# Altium PCB H-Watch.PcbDoc (part 1 of 2) (continued)
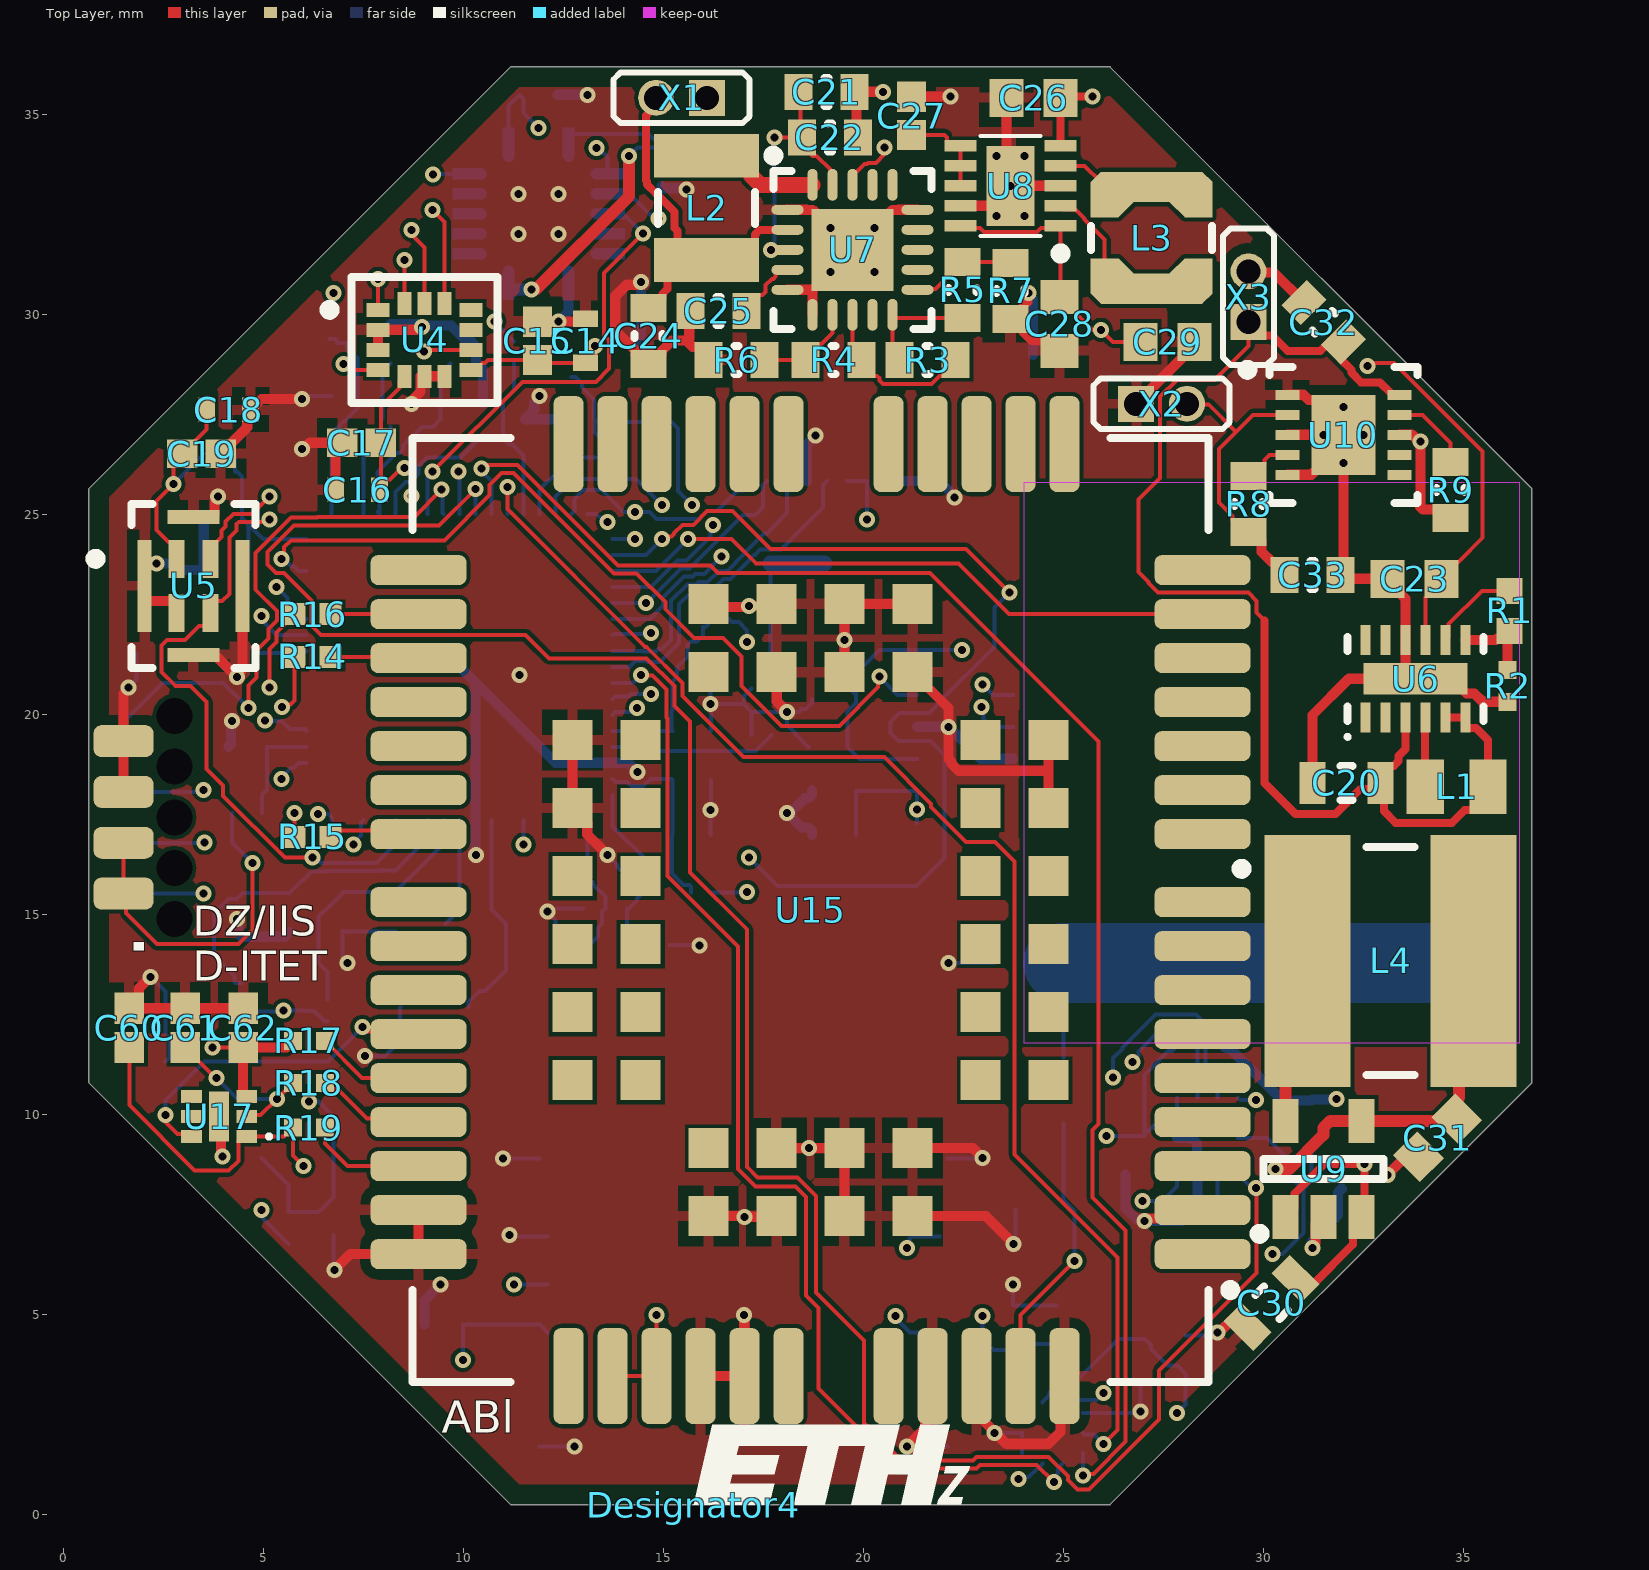
[diagram p0: Top Layer view]
## Footprints (in the part's own frame and the unit in brackets; to place one, negate y for a bottom-side part, rotate by r counter-clockwise, add the part's x,y. Pads: shape width x height; smd on the part's side, far side on the other; paste and mask are expansions set on the pad) (continued)
ONSC-UDFN-6-517AP-01_V [mm] "SON, 6-Leads, Body 1.6x1.6mm, Pitch 0.5mm, Thermal Pad 1.26x0.61mm"
  rect 0.52x0.32 smd mask+0.035: 1(-0.69,0.5) 2(-0.69,0) 3(-0.69,-0.5) 4(0.69,-0.5) 5(0.69,0) 6(0.69,0.5)
  rect 0.5x1.26 smd mask+0.035: 7(0,0)
  silkscreen extent -1.3,0.45 -1.2,0.55, body extent -0.8,-0.8 0.8,0.8, height 0.55
"Pin Header, 1x2, TH" [mm] "Terminal Assembly, 1x2 Pins, Vertical, 1.27mm Pitch, Male, TH"
  rect 0.9x0.9 hole 0.6: 1(-0.635,0)
  round 0.9 hole 0.6: 2(0.635,0)
  silkscreen extent -1.7,-0.63 1.7,0.64, body extent -1.7,-0.63 1.7,0.64, height 6.3
Programmer [mm]
  rrect50% 0.8x1.5 smd: 1(-1.27,0) 2(0,0) 3(1.27,0) 4(2.54,0)
  rrect50% 0.8x1.5 smd far side: 5(-1.27,0) 6(0,0) 7(1.27,0) 8(2.54,0)
  round 0 hole 0.9: ""(-1.905,1.27) ""(-0.635,1.27) ""(0.635,1.27) ""(1.905,1.27) ""(3.175,1.27)
QFN50P350X350X100_HS-21L [mm] "QFN, 20-Leads, Body 3.50x3.50mm, Pitch 0.50mm, Thermal Pad 2.05x2.05mm, IPC High Density"
  oval 0.8x0.25 smd: 1(-1.625,1) 2(-1.625,0.5) 3(-1.625,0) 4(-1.625,-0.5) 5(-1.625,-1) 11(1.625,-1) 12(1.625,-0.5) 13(1.625,0) 14(1.625,0.5) 15(1.625,1)
  oval 0.25x0.8 smd: 6(-1,-1.625) 7(-0.5,-1.625) 8(0,-1.625) 9(0.5,-1.625) 10(1,-1.625) 16(1,1.625) 17(0.5,1.625) 18(0,1.625) 19(-0.5,1.625) 20(-1,1.625)
  rect 2.05x2.05 smd: 21(0,0)
  silkscreen extent -2.11,-1.97 1.97,2.48, body extent -1.83,-1.83 1.83,1.83, height 1
RESC0603(1608)_L [mm] "Chip Resistor, Body 1.6x0.8mm, IPC High Density"
  rect 0.7x0.9 smd: 1(-0.7,0) 2(0.7,0)
  silkscreen extent -0.05,-0.35 0.05,0.35, body extent -0.85,-0.47 0.85,0.47, height 0.6
RESC1005X40X25LL05T05 [mm] "Chip Resistor, 2-Leads, Body 1.05x0.55mm, IPC High Density"
  rect 0.45x0.45 smd: 1(-0.4,0) 2(0.4,0)
  body extent -0.53,-0.28 0.53,0.28, height 0.4
RESC1005X40X25ML05T05 [mm] "Chip Resistor, 2-Leads, Body 1.00x0.50mm, IPC Low Density"
  rect 0.65x0.65 smd: 1(-0.5,0) 2(0.5,0)
  body extent -0.53,-0.27 0.53,0.28, height 0.4
RESC1005X40X25ML05T10 [mm] "Chip Resistor, 2-Leads, Body 1.00x0.50mm, IPC Low Density"
  rect 0.7x0.65 smd: 1(-0.475,0) 2(0.475,0)
  body extent -0.53,-0.27 0.53,0.28, height 0.4
RESC1005X40X25NL05T05 [mm] "Chip Resistor, 2-Leads, Body 1.00x0.50mm, IPC Medium Density"
  rect 0.55x0.55 smd: 1(-0.45,0) 2(0.45,0)
  body extent -0.53,-0.27 0.53,0.28, height 0.4
RESC1609X55X30ML10T20 [mm] "Chip Resistor, 2-Leads, Body 1.60x0.85mm, IPC Low Density"
  rect 1.15x1.05 smd: 1(-0.825,0) 2(0.825,0)
  body extent -0.85,-0.48 0.85,0.48, height 0.55
SDA10A [mm] "SON, 10-Leads, Body 3x3 mm, Pitch 0.5mm, NSC Recommended"
  rect 0.6x0.25 smd paste-0.125 mask+0.051: 1(-1.4,1) 2(-1.4,0.5) 3(-1.4,0) 4(-1.4,-0.5) 5(-1.4,-1) 6(1.4,-1) 7(1.4,-0.5) 8(1.4,0) 9(1.4,0.5) 10(1.4,1)
  rect 1.6x2 smd paste-0.05 mask+0.051: 11(0,0)
  silkscreen extent -2.52,-1.7 1.85,1.75, body extent -1.55,-1.55 1.55,1.55, height 0.8
"Small Solder Jumper" [mm] "Small Solder Jumper (shortcut with a drop of tin if needed)"
  round 0.525 smd paste-5 mask+0: 1(-0.337,0) 2(0.337,0)
  oval 0.52x0.63 smd paste-5 mask+0: 1(-0.335,0) 2(0.335,0)
  oval 0.51x0.71 smd paste-5 mask+0: 1(-0.33,0) 2(0.33,0)
  oval 0.5x0.76 smd paste-5 mask+0: 1(-0.325,0) 2(0.325,0)
  oval 0.49x0.8 smd paste-5 mask+0: 1(-0.32,0) 2(0.32,0)
  oval 0.475x0.84 smd paste-5 mask+0: 1(-0.312,0) 2(0.312,0)
  oval 0.465x0.865 smd paste-5 mask+0: 1(-0.307,0) 2(0.307,0)
  oval 0.45x0.897 smd paste-5 mask+0: 1(-0.3,0) 2(0.3,0)
  oval 0.425x0.943 smd paste-5 mask+0: 1(-0.288,0) 2(0.288,0)
  oval 0.4x0.981 smd paste-5 mask+0: 1(-0.275,0) 2(0.275,0)
  oval 0.375x1.013 smd paste-5 mask+0: 1(-0.262,0) 2(0.262,0)
  oval 0.35x1.04 smd paste-5 mask+0: 1(-0.25,0) 2(0.25,0)
  oval 0.325x1.063 smd paste-5 mask+0: 1(-0.238,0) 2(0.238,0)
  oval 0.3x1.082 smd paste-5 mask+0: 1(-0.225,0) 2(0.225,0)
  oval 0.275x1.098 smd paste-5 mask+0: 1(-0.212,0) 2(0.212,0)
  oval 0.25x1.112 smd paste-5 mask+0: 1(-0.2,0) 2(0.2,0)
  oval 0.225x1.125 smd paste-5 mask+0: 1(-0.188,0) 2(0.188,0)
  oval 0.2x1.137 smd paste-5 mask+0: 1(-0.175,0) 2(0.175,0)
  silkscreen extent -0.82,-0.83 0.83,0.83
SON50P200X80_HS-13N [mm] "SON, 12-Leads, Body 3.00x2.00mm, Pitch 0.50mm, Thermal Pad 2.60x0.79mm, IPC Medium Density"
  rect 0.75x0.25 smd: 1(-0.97,1.25) 2(-0.97,0.75) 3(-0.97,0.25) 4(-0.97,-0.25) 5(-0.97,-0.75) 6(-0.97,-1.25) 7(0.97,-1.25) 8(0.97,-0.75) 9(0.97,-0.25) 10(0.97,0.25) 11(0.97,0.75) 12(0.97,1.25)
  rect 0.79x2.6 smd: 13(0,0)
  silkscreen extent -1.5,-1.7 1.05,1.75, body extent -1.05,-1.55 1.05,1.55, height 0.8
SUMI-CDRH5D28_V [mm] "SMD, 2-Leads, Body 5.7x5.7mm"
  rect 2.15x6.3 smd: 1(-2.075,0) 2(2.075,0)
  silkscreen extent -3.85,-2.85 0.6,2.85, body extent -2.85,-2.85 2.85,2.85, height 3
Z5+1_N [mm] "SOT23, 5-Leads, Body 2.9x1.6mm, Pitch 0.95mm, Lead Span 2.8mm, IPC Medium Density"
  rect 1.1x0.65 smd: 1(-1.2,0.95) 2(-1.2,0) 3(-1.2,-0.95) 4(1.2,-0.95) 5(1.2,0.95)
  silkscreen extent -1.75,-1.5 0.25,1.72, body extent -0.82,-1.5 0.82,1.5, height 1.1

## Part data
C1 C3 C5 C8 C9 C10 C12 C14 C16 C18 C42 C44 C46 C48: library part CMP-2000-05993-1, "Chip Capacitor, 10 uF, +/- 20%, -55 to 85 degC, 0402 (1005 Metric), RoHS, Tape and Reel", Capacitance=10µF, Manufacturer=TDK, Operating Temperature=-55°C~85°C, Package / Case=0402(1005Metric), Package Description="2-Pin Surface Mount Device, Body 1.00 x 0.50 mm", Package Reference=0402, PCN Part Number=MLCCPartNumberChange30/Nov/2012, Ratings=-, Standard Package=1, Temperature Coefficient=X5R, Tolerance=±20%, Voltage - Rated=6.3V, Applications=GeneralPurpose, Category=Capacitors, Datasheet URL=http://download.siliconexpert.com/pdfs/2015/4/21/15/54/45/779/tdk_/manual/37024850441143360mlcc_commercial_general_en.pdf, Datasheet Version=03/2015, Family=CeramicCapacitors, Features=-, Height - Seated (Max)=-, Kits=445-9021-KIT-ND-KITMLCC100PF-10UF04026.3-50V445-9003-KIT-ND-KITCAPCERHICAPMLCCSMD, Lead Spacing=-, Lead Style=-, Manufacturer URL=http://www.tdk.com/, Mounting Technology=SurfaceMount, Mounting Type=SurfaceMount,MLCC, Online Catalog=CSeries,GeneralPurpose, Other Names=445-8920-1, Packaging=CutTape(CT), Product Training Modules=CSeriesGeneralApplicationsSEAT,CCV,andTVCLDesignToolsGuidetoReplacinganElectrolyticCapacitorwithanMLCC, RoHS Information=RoHSCertificate-MLCC, Series=C, Size / Dimension="0.039\"Lx0.020\"W(1.00mmx0.50mm)", Thickness (Max)="0.020\"(0.50mm)"
C2 C4 C6 C11 C13 C15 C17 C19 C27 C34 C35 C36 C43 C45 C47 C49 C50 C52 C53 C55 C56 C59: library part CMP-2008-02046-1, Manufacturer=Kemet, Part Number=C0402C104K8PACTU
C7: library part CMP-2000-05010-1, "Chip Capacitor, 220 nF, +/- 10%, 16 V, -55 to 125 degC, 0402 (1005 Metric), RoHS, Tape and Reel", Capacitance=0.22µF, Case Size/Dimension=0402, Dielectric=C0G, Manufacturer=Murata, Package Description="2-Pin Surface Mount Device, Body 1 x 0.5 mm", Package Reference=402, Rated Voltage=16V, Tolerance (%)=±10%, Datasheet URL=https://datasheet.ciiva.com/132/product-132672.pdf, Datasheet Version=Oct-14, Manufacturer URL=http://www.murata.com/
C20 C30 C39: library part CMP-2000-04981-1, "CAP, Ceramic, 4.7 uF, +/- 10%, 16 V, -55 to 85 degC, 0603 (1608 Metric), RoHS, Tape and Reel", Capacitance=4.7µF, Manufacturer=TDK, Operating Temperature=-55degC~85degC, Package / Case=0603(1608Metric), Package Description="2-Pin Surface Mount Device, Body 1.6 x 0.8 mm", Package Reference=603, PCN Part Number=MLCCPartNumberChange30/Nov/2012, Ratings=-, Standard Package=1, Temperature Coefficient=X5R, Tolerance=±10%, Voltage - Rated=16V, Applications=GeneralPurpose, Category=Capacitors, Datasheet URL=http://download.siliconexpert.com/pdfs/2015/4/21/15/54/45/779/tdk_/manual/37024850441143360mlcc_commercial_general_en.pdf, Datasheet Version=Mar-15, Design Resources=20WNon-IsolatedBuckLEDDriverUsingPLLNK460KG, Family=CeramicCapacitors, Features=-, Height - Seated (Max)=-, Kits=445-9003-KIT-ND-KITCAPCERHICAPMLCCSMD, Lead Spacing=-, Lead Style=-, Manufacturer URL=http://www.tdk.com/, Mounting Type=SurfaceMount,MLCC, Online Catalog=CSeries,GeneralPurpose, Other Names=445-7478-1, Packaging=CutTape(CT), Product Training Modules=CSeriesGeneralApplicationsSEAT,CCV,andTVCLDesignToolsGuidetoReplacinganElectrolyticCapacitorwithanMLCC, RoHS Information=RoHSCertificate-MLCC, Series=C, Size / Dimension="0.063\"Lx0.031\"W(1.60mmx0.80mm)", Thickness (Max)="0.035\"(0.90mm)"
C21 C24: library part CMP-1035-02785-1, "CAP 4.7uF 10V ±10% 0603 (1608 Metric) Thickness 1mm SMD", Case-EIA=0603, Case-Metric=1608, Rated Voltage="10 V", Tolerance=Â±10%, Max Thickness="1 mm", Technology=SMT
C22 C25: library part CMP-1035-02304-1, "CAP 10nF 10V ±2% 0603 (1608 Metric) Thickness 1mm SMD", Case-EIA=0603, Case-Metric=1608, Rated Voltage="10 V", Tolerance=Â±2%, Max Thickness="1 mm", Technology=SMT
C23 C26 C28 C29 C31: library part CMP-2006-02792-1, Manufacturer=Murata, Part Number=GRM188R60J106ME47D
C32 C33: library part CMP-1035-02733-1, "CAP 1uF 10V ±10% 0603 (1608 Metric) Thickness 1mm SMD", Case-EIA=0603, Case-Metric=1608, Rated Voltage="10 V", Tolerance=Â±10%, Max Thickness="1 mm", Technology=SMT
C37 C38: library part CMP-2008-03855-1, Manufacturer=Murata, Part Number=GJM1555C1H4R0CB01D
C40 C41: library part CMP-2008-03759-1, Manufacturer=Murata, Part Number=GJM1555C1H8R0CB01D
C51 C54: library part CMP-2008-02567-1, Manufacturer="AVX Interconnect / Elco", Part Number=04025A101FAT2A.
C57 C58: library part CMP-2100-03643-1, "Chip Capacitor, 0.1 uF, +/- 10%, 50 V, -55 to 125 degC, 0603 (1608 Metric), RoHS, Tape and Reel", Capacitance=100nF, Case Code (Imperial)=0603, Case Code (Metric)=1608, Dielectric=X7R, Dielectric Material=Ceramic, Insulation Resistance=10GR, Manufacturer=Murata, Max Operating Temperature=125degC, Min Operating Temperature=-55degC, Package Description="2-Pin Surface Mount Device, Body 1.6 x 0.8 mm", Package Quantity=1, Tolerance=10%, Voltage=50V, Case/Package=0603, Contact Plating=Tin, Datasheet URL=http://psearch.en.murata.com/capacitor/product/GRM188R71H104KA93%23.pdf, Datasheet Version=42675.0, Depth=0.8mm, Height=0.8mm, Lead Free=LeadFree, Length=1.6mm, Manufacturer URL=http://www.murata.com/, Material=Ceramic, Mount=SurfaceMount, Number of Pins=2, Package Reference=0603, Packaging=TapeandReel, Radiation Hardening=No, REACH SVHC=NoSVHC, RoHSCompliant=true, Termination=SMD/SMT, Thickness=0.035inch, Voltage Rating=50V, Voltage Rating (DC)=50V, Width=0.8mm
C60 C61 C62: library part CMP-2008-02494-1, Manufacturer="AVX Interconnect / Elco", Part Number=04023A330JAT2A
D1: library part CMP-08952-000003-1, "LED RED CLEAR 1006 SMD", Colour=Red, Forward Current=1mA, Forward Voltage=1.8V, Manufacturer=Rohm, Package=SML-P1, Power Dissipation=50mW, Reverse Voltage=5V, Temperature="-40°C to +85°C", Temperature Range High=+85°C, Temperature Range Low=-40°C, Automotive=No, Category=Diode, ComponentLink2Description=Datasheet, ComponentLink2URL=https://www.rohm.com/datasheet/SML-P11VT(R)/sml-p11-e, Device Class L1=Optoelectronics, Device Class L2=LEDs, Device Class L3=unset, Digikey Description="LED RED CLEAR 1006 SMD", Height=0.25mm, Lead Free=Yes, Led Orientation="Top View", Luminous Intensity=4mcd, Manufacturer Part Number=SML-P11VTT86R, Mouser Description="SML-P11 Series Red 0402 Clear 4 mcd 1.8 V Surface Mount PICOLED? LED", Octopart=https://octopart.com/sml-p11vtt86r-rohm-34112314, RoHS=TRUE, Wavelength=626nm
J2: library part CMP-1241-00463-1, "0.5 mm Pitch Easy-On(TM) Type FPC Connector, 2.0 mm Mated Height, Right Angle, ZIF, SMT, Bottom Contact, 10 Circuits, -40 to 85 degC, ELV and RoHS Compliant, Tape and Reel", Current (Max per Contact)=0.5A, Manufacturer=Molex, Voltage (Max)=50V, Circuits (Loaded)=10, ComponentLink1Description="Manufacturer URL", ComponentLink1URL=http://www.molex.com/molex/index.jsp, ComponentLink2Description=Datasheet, ComponentLink2URL=http://www.molex.com/webdocs/datasheets/pdf/en-us/0528921033_FFC_FPC_CONNECTORS.pdf, ComponentLink3Description="Package Specification", ComponentLink3URL=http://www.molex.com/pdm_docs/sd/528921033_sd.pdf, Contact Position=Bottom, Durability (mating cycles max)=20, Entry Angle="90degrees Angle", Mated Height=2.00mm, Material - Metal="Phosphor Bronze", Material - Plating Mating="Silver, Tin-Bismuth", Material - Plating Termination="Silver, Tin-Bismuth", Mounting Technology="Surface Mount", Number of Rows=1, Orientation="Right Angle", PackageDescription="10-Lead FPC Connector, Pitch 0.5 mm", PackageReference=52892-1033, PackageVersion="Rev. A, 05/2013", Packing="Tape and Reel", PartNumber=52892-1033, PCB Locator=No, PCB Retention=Yes, Pitch - Mating Interface=0.50mm, Pitch - Termination Interface=0.50mm, Polarized to PCB=No, RoHS=TRUE, Stackable=No
J3 J4 J5 J6 J7 J8 J9 J10 J11: library part CMP-00005-5, Technology=SMT
J12: library part CMP-00970-1, "6 Position Card Connector NANO SIM Surface Mount, Right Angle Gold", Mount="Surface Mount", Number of Rows=2, Orientation="Right Angle", Pitch=2.54mm
L1: library part CMP-2000-05964-1, "Wire-Wound Chip Power Inductor, 2.2 uH, +/- 20%, -40 to 105 degC, 2-Pin SMD (0805), RoHS, Tape and Reel", Current - Saturation=1.1A, Current Rating=1A, DC Resistance (DCR)=143mOhmMax, Frequency - Self Resonant=350MHz, Frequency - Test=1MHz, Inductance=2.2µH, Manufacturer="Taiyo Yuden", Operating Temperature=-40°C~105°C, Package / Case=0805(2012Metric), Package Description="2-Pin Surface Mount Device, Body 2 x 1.25 mm", Package Reference=0805, Standard Package=2,000, Tolerance=±20%, Category=Inductors,Coils,Chokes, Datasheet URL=http://ds.yuden.co.jp/TYCOMPAS/ut/detail.do?productNo=BRC2012T2R2MD&fileName=BRC2012T2R2MD_SS&mode=specSheetDownload, Datasheet Version=09/2016, EDA / CAD Models=DownloadfromAcceleratedDesigns, Family=FixedInductors, Height - Seated (Max)="0.055\"(1.40mm)", Manufacturer URL=http://www.t-yuden.com/, Mounting Technology=SurfaceMount, Mounting Type=SurfaceMount, Online Catalog=BRSeries, Other Names="587-2905-2 / LQBRC2012T2R2MD", Packaging=Tape&Reel(TR), Series=BR, Shielding=Unshielded, Size / Dimension="0.079\"Lx0.049\"W(2.00mmx1.25mm)", Type=Wirewound
L2: library part CMP-01012-1, "FIXED IND 22UH 780MA 351 MOHM", Case Code (Imperial)=1210, Case Code (Metric)=3225, Current Rating=780mA, DC Resistance (DCR)=351mR, Inductance=22uh, Inductance Tolerance=20%, Max Operating Temperature=105°C, Min Operating Temperature=-40°C, Package Quantity=1000, Saturation Current=620mA, Self Resonant Frequency=17MHz, Test Frequency=100kHz, Case/Package=1210, Composition=Wirewound, Core Material=Ferrite, DC Current=780mA, Depth=2.7mm, Halogen Free="Halogen Free", Height=2.5mm, Height - Seated (Max)=0.106inch, Lead Free="Lead Free", Length=0.126inch, Max DC Current=780mA, Military Standard=Not, Mount="Surface Mount", Number of Pins=2, Packaging="Tape and Reel", Radiation Hardening=No, REACH SVHC=Unknown, Shielding=Unshielded, Termination=SMD/SMT, Tolerance=20%, Width=0.098inch
L3: library part CMP-00861-1, "INDUCTOR, SHLD, 1.5UH, 20%, 1.3A, SMD", DC Resistance (DCR)=100mR, Inductance=1.5uh, Inductance Tolerance=20%, Max DC Current=2.2A, Max Operating Temperature=85°C, Min Operating Temperature=-40°C, Package Quantity=1, RMS Current (Irms)=1.3A, Saturation Current=2.1A, Self Resonant Frequency=140MHz, Test Frequency=100kHz, Core Material=Ferrite, Height=1.5mm, Length=3mm, Packaging="Cut Tape", REACH SVHC="No SVHC", Shielding=Shielded, Termination=SMD/SMT, Tolerance=20%, Weight=0.001411oz, Width=3mm
L4: library part CMP-2000-06085-1, "Power Inductor, 6.2 uH, +/- 30%, 1.8 A, -40 to 100 degC, 2-Pin SMD, RoHS, Tape and Reel", Current - Saturation=-, Current Rating=1.8A, DC Resistance (DCR)=45mOhmMax, Frequency - Test=100kHz, Inductance=6.2µH, Manufacturer=Sumida, Operating Temperature=-40°C~100°C, Package / Case=Nonstandard, Package Description="2-Pin Surface Mount Device, Body 5.7 x 5.7 mm", Package Reference=CDRH5D28, Standard Package=1, Tolerance=±30%, Category=Inductors,Coils,Chokes, Datasheet URL=http://products.sumida.com/products/pdf/CDRH5D28.pdf, Datasheet Version=01/2014, Family=FixedInductors, Frequency - Self Resonant=-, Height - Seated (Max)="0.118\"(3.00mm)", Manufacturer URL=http://www.sumida.com/, Material - Core=Ferrite, Mounting Technology=SurfaceMount, Mounting Type=SurfaceMount, Other Names=308-1542-1, Packaging=CutTape(CT), Product Training Modules=PowerInductorBasics, Q @ Freq=-, Ratings=-, Series=CDRH5D28, Shielding=Shielded, Size / Dimension="0.224\"Lx0.224\"W(5.70mmx5.70mm)", Type=-
L5: library part CMP-2000-06587-1, "Fixed Inductor, 10 uH, +/-20%, -55 to 125 degC, 2-Pin SMD (0805), RoHS, Tape and Reel", Case Size/Dimension=0805, DC Resistance=0.6, Inductance-Nom=10H, Manufacturer=Murata, Package Description="2-Pin Surface Mount Device, Body 2 x 1.25 mm", Package Reference=IND0805, Rated Current-Max=100mA, Tolerance (%)=20%, Datasheet URL=http://psearch.en.murata.com/inductor/product/LQM21FN100M70%23.pdf, Datasheet Version=05/2016, Manufacturer URL=http://www.murata.com/, Mounting Technology=SurfaceMount
R1: library part CMP-2002-01142-1, Manufacturer=Panasonic, Part Number=ERJ-2RKF3002X
R2 R10 R12: library part CMP-2000-07588-1, "Chip Resistor, 10 KOhm, +/- 1%, 0.1 W, -55 to 155 degC, 0402 (1005 Metric), RoHS, Tape and Reel", Case Code (Imperial)=0402, Case Code (Metric)=1005, Manufacturer=Panasonic, Max Operating Temperature=155degC, Max Power Dissipation=100mW, Min Operating Temperature=-55degC, Package Description="2-Pin Surface Mount Device, Body 1 x 0.5 mm", Package Quantity=1, Package Reference=402, Resistance=10KOhm, Temperature Coefficient=100ppm\/degreesC, Tolerance=1%, Voltage Rating=50V, Case\/Package=0402, Composition=ThickFilm, Contact Plating=Tin, Datasheet URL=https://industrial.panasonic.com/cdbs/www-data/pdf/RDA0000/AOA0000C304.pdf, Datasheet Version=02/2017, Depth=0.5mm, Height=0.35mm, Lead Free=LeadFree, Length=1mm, Manufacturer URL=http://www.panasonic.com/, Military Standard=Not, Mount=SurfaceMount, Mounting Technology=SurfaceMount, Number of Pins=2, Number of Terminations=2, Packaging=TapeandReel, Power Rating=100mW, Radiation Hardening=No, REACH SVHC=NoSVHC, RoHSCompliant=True, Termination=SMD/SMT, Voltage Rating (DC)=50V, Width=0.02inch
R3: library part CMP-1012-00871-1, "1M62 0.1W 1% 0603 (1608 Metric)  SMD", Case-EIA=0603, Case-Metric=1608, Power="0.1 W", Tolerance="1 %", Technology=SMT
R4: library part CMP-1012-00947-1, "7M32 0.1W 1% 0603 (1608 Metric)  SMD", Case-EIA=0603, Case-Metric=1608, Power="0.1 W", Tolerance="1 %", Technology=SMT
R5: library part CMP-1012-00933-1, "5M49 0.1W 1% 0603 (1608 Metric)  SMD", Case-EIA=0603, Case-Metric=1608, Power="0.1 W", Tolerance="1 %", Technology=SMT
R6 R7: library part CMP-1012-00934-1, "5M6 0.1W 1% 0603 (1608 Metric)  SMD", Case-EIA=0603, Case-Metric=1608, Power="0.1 W", Tolerance="1 %", Technology=SMT
R8 R9: library part CMP-1012-00623-1, "10K 0.1W 1% 0603 (1608 Metric)  SMD", Case-EIA=0603, Case-Metric=1608, Power="0.1 W", Tolerance="1 %", Technology=SMT
R11: library part CMP-2002-07464-1, Manufacturer="Yageo / Phycomp", Part Number=RC0402FR-071K5L
R13: library part CMP-2000-03816-1, Manufacturer="Vishay Dale", Part Number=CRCW06030000Z0EA
R14 R15 R16: library part CMP-2002-08276-1, Manufacturer="Vishay Dale", Part Number=CRCW04021K00FKED
R17 R18 R19: library part CMP-2002-01135-1, Manufacturer=Panasonic, Part Number=ERJ2RKF22R0X
SW1: library part CMP-2100-03586-1, "Ultra-Small Tactile Switch, 0.05 A, 12 V, -25 to 70 degC, 2-Pin SMD, RoHS, Tape and Reel", Case/Package=SMD/SMT, Contact Current Rating=50mA, Insulation Resistance=100MOhm, Manufacturer="Omron Electronic Components", Max Operating Temperature=70degC, Min Operating Temperature=-25degC, Operating Force=1.5N, Package Description="2-Pin Surface Mount Device, Body 3 x 2.5 mm", Package Quantity=1, Package Reference=B3U-1000, Voltage Rating (DC)=12V, Actuator Length=0.4mm, Contact Material=Silver, Current Rating=50mA, Datasheet URL=http://www.omron.com/ecb/products/pdf/en-b3u.pdf, Datasheet Version=42005.0, Depth=2.5mm, Electrical Life=200000Cycles, Height=1.2mm, Illumination Type=Illuminated, Lead Free=LeadFree, Length=4mm, Manufacturer URL=http://www.omron.com/, Max Current Rating=50mA, Mount=SurfaceMount, Orientation=Straight, Packaging=TapeandReel, REACH SVHC=Unknown, RoHSCompliant=true, Switch Travel=0.15mm, Termination=SMD/SMT, Throw Configuration=SPST, Weight=0.022g, Width=3mm
U1: library part CMP-12177-000005-1, "IMU ACCEL/MAG I2C/SPI 12LGA", Manufacturer=STMicroelectronics, Max Supply Voltage=3.6V, Min Supply Voltage=1.71V, Operating Supply Current=3.7-200uA, Package=LGA-12-8487206, Temperature="-40°C to +85°C", Temperature Range High=+85°C, Temperature Range Low=-40°C, Accel Range=2/4/8/16g, Accel Resolution=16bits, Automotive=No, Category=IC, ComponentLink2Description=Datasheet, ComponentLink2URL=https://www.st.com/resource/en/datasheet/lsm303agr.pdf, Device Class L1=Sensors, Device Class L2="Motion Sensors", Device Class L3="Inertial Measurement Units (IMUs)", Digikey Description="IMU ACCEL/MAG I2C/SPI 12LGA", Footprint Url=https://www.st.com/content/ccc/resource/technical/document/technical_note/73/17/9c/16/dd/96/4a/01/CD00134799.pdf/files/CD00134799.pdf/jcr:content/translations/en.CD00134799.pdf, Height=1mm, Lead Free=Yes, Mag Sense Range="49.152gauss (g)", Manufacturer Part Number=LSM303AGRTR, Mouser Description="IMUs - Inertial Measurement Units Ultra-compact high-performance e-compass 3D accelerometer and 3D magnetometer module", Octopart=https://octopart.com/lsm303agrtr-stmicroelectronics-59386630, Resolution=16bits, RoHS=TRUE, Sensor Output=I2C,SPI, Sensor Type=Temperature,Accelerometer,Magnetometer
U2: library part CMP-05738-000001-1, "INTEGRATED OPTICAL SENSOR", Manufacturer="Maxim Integrated", Max Junction Temp=+90°C, Max Supply Voltage=2V, Min Supply Voltage=1.7V, Operating Supply Current=600uA, Package=F143A5-1, Temperature="-40°C to +85°C", Temperature Range High=+85°C, Temperature Range Low=-40°C, Automotive=No, Category=IC, ComponentLink2Description=Datasheet, ComponentLink2URL=https://datasheets.maximintegrated.com/en/ds/MAX30101.pdf, Device Class L1=Sensors, Device Class L2=unset, Device Class L3=unset, Digikey Description="INTEGRATED OPTICAL SENSOR", Footprint Url=https://pdfserv.maximintegrated.com/land_patterns/90-0602.PDF, Height=1.65mm, Lead Free=Yes, Manufacturer Part Number=MAX30101EFD+, Mouser Description="INTEGRATED OPTICAL SENSOR", Octopart=https://octopart.com/max30101efd%2B-maxim+integrated-57054333, RoHS=TRUE, Sensor Output=I2C
U3: library part CMP-12182-000004-1, "MEMS NANO PRESSURE SENSOR: 260-1", Manufacturer=STMicroelectronics, Max Supply Voltage=3.6V, Min Supply Voltage=1.7V, Operating Supply Current=3-12uA, Package=HLGA-10L-8479831, Temperature="-40°C to +85°C", Temperature Range High=+85°C, Temperature Range Low=-40°C, Automotive=No, Category=IC, ComponentLink2Description=Datasheet, ComponentLink2URL=https://www.st.com/resource/en/datasheet/lps22hb.pdf, Device Class L1=Sensors, Device Class L2="Pressure Sensors", Device Class L3=unset, Digikey Description="MEMS NANO PRESSURE SENSOR: 260-1", Footprint Url=https://www.st.com/content/ccc/resource/technical/document/technical_note/73/17/9c/16/dd/96/4a/01/CD00134799.pdf/files/CD00134799.pdf/jcr:content/translations/en.CD00134799.pdf, Height=0.8mm, Lead Free=Yes, Manufacturer Part Number=LPS22HBTR, Octopart=https://octopart.com/lps22hbtr-stmicroelectronics-51851131, Port Style="No Port", RoHS=TRUE, Sensor Output=I2C,SPI
U4: library part CMP-12177-000008-1, "IMU ACCEL/GYRO I2C/SPI 14LGA", Manufacturer=STMicroelectronics, Max Supply Voltage=3.6V, Min Supply Voltage=1.62V, Operating Supply Current=0.29-0.65mA, Package=LGA-14L-DM00249496, Temperature="-40°C to +85°C", Temperature Range High=+85°C, Temperature Range Low=-40°C, Accel Range=2/4/8/16g, Automotive=No, Category=IC, ComponentLink2Description=Datasheet, ComponentLink2URL=https://www.st.com/resource/en/datasheet/lsm6dsm.pdf, Device Class L1=Sensors, Device Class L2="Motion Sensors", Device Class L3="Inertial Measurement Units (IMUs)", Digikey Description="IMU ACCEL/GYRO I2C/SPI 14LGA", Footprint Url=https://www.st.com/content/ccc/resource/technical/document/technical_note/73/17/9c/16/dd/96/4a/01/CD00134799.pdf/files/CD00134799.pdf/jcr:content/translations/en.CD00134799.pdf, Gyro Range=125/250/500/1000/2000°/s, Height=0.86mm, Lead Free=Yes, Manufacturer Part Number=LSM6DSMTR, Mouser Description="LSM6DSM Series 3.6 V I2C/SPI 3D Accelerometer and 3D Gyroscope - LGA-14", Octopart=https://octopart.com/lsm6dsmtr-stmicroelectronics-66358194, Resolution=16bits, RoHS=TRUE, Sensor Output=I2C,SPI, Sensor Type=Temperature,Accelerometer,Gyroscope
U5: library part CMP-12231-000001-1, "MEMS AUD MIC SENSOR OMNI 4HCLGA", Current=650uA, Frequency=2.4MHz, Manufacturer=STMicroelectronics, Max Supply Voltage=3.6V, Min Supply Voltage=1.6V, Operating Supply Voltage=1.8V, Package=HCLGA-DM00231908, Temperature="-40°C to +85°C", Temperature Range High=+85°C, Temperature Range Low=-40°C, Automotive=No, Category=IC, ComponentLink2Description=Datasheet, ComponentLink2URL=https://www.st.com/resource/en/datasheet/mp34dt05-a.pdf, Device Class L1=Electromechanical, Device Class L2="Audio Products", Device Class L3=Microphones, Digikey Description="MEMS AUD MIC SENSOR OMNI 4HCLGA", Direction=Omidirectional, Height=1.1mm, Lead Free=Yes, Manufacturer Part Number=MP34DT05TR-A, Mouser Description="MP34DT05: 3.6 V MEMS Audio Sensor Omnidirectional Digital Microphone - HCLGA-4LD", Octopart=https://octopart.com/mp34dt05tr-a-stmicroelectronics-87879016, RoHS=TRUE
U6: library part CMP-00875-1, "Boost Switching Regulator IC Positive Fixed 3.3V, - 2 Output 350mA (Switch) 6-WFDFN", Current - Output="350mA (Switch)", Frequency - Switching=-, Manufacturer="Texas Instruments", Operating Temperature="-40°C ~ 150°C (TJ)", Package / Case="12-WFDFN Exposed Pad", Supplier Device Package="12-WSON (3x2)", Supplier Part Number=296-46930-1-ND, Voltage - Input (Max)=5.5V, Voltage - Input (Min)=1.8V, Voltage - Output (Max)=28V, Voltage - Output (Min/Fixed)=4.5V, Category="Integrated Circuits (ICs)", ComponentLink1Description=tps61096A.pdf, ComponentLink1URL=http://www.ti.com/lit/ds/symlink/tps61096a.pdf, Family="PMIC - Voltage Regulators - DC DC Switching Regulators", Function=Step-Up, Manufacturer Part Number=TPS61096ADSST, Mounting Type="Surface Mount", Number of Outputs=1, Output Configuration=Positive, Output Type=Adjustable, Packaging="Tape & Reel (TR)", Part Status=Active, Series=-, Supplier=Digikey, Synchronous Rectifier=No, Topology=Boost
U7: library part CMP-00082-3, "IC ENERGY HARV CTRLR BATT 20VQFN", Current - Supply=488nA, Manufacturer="Texas Instruments", Operating Temperature="-40°C ~ 125°C", Package / Case="20-VFQFN Exposed Pad", Supplier Device Package="20-VQFN (3.5x3.5)", Supplier Part Number=296-37014-2-ND, Voltage - Supply="0.12 V ~ 4 V", Applications="Energy Harvesting", ComponentLink1Description=bq25570.pdf, ComponentLink1URL=http://www.ti.com/lit/ds/symlink/bq25570.pdf, Mounting Type="Surface Mount", P/N=BQ25570RGRT, Packaging="Tape & Reel (TR)", Supplier=Digi-Key
U8: library part CMP-00866-1, "Buck-Boost Switching Regulator IC Positive Fixed 3.3V 1 Output 900mA (Switch) 10-WFDFN Exposed Pad", Max Input Voltage=5.5V, Max Operating Temperature=85°C, Max Output Current=800mA, Min Input Voltage=1.8V, Min Operating Temperature=-40°C, Min Output Voltage=3.3V, Package Quantity=3000, Quiescent Current=25uA, Switching Frequency=2.4MHz, Contact Plating=Gold, Efficiency=96%, Lead Free="Lead Free", Mount="Surface Mount", Nominal Output Voltage=3.3V, Number of Outputs=1, Number of Pins=10, Operating Supply Voltage=5.5V, Output Current=800mA, Output Voltage=3.3V, Packaging="Tape and Reel", Radiation Hardening=No, REACH SVHC="No SVHC", Synchronous Rectifier=Yes, Topology=Buck-Boost
U9: library part CMP-00865-1, "Buck Switching Regulator IC Positive Fixed 1.8V 1 Output 300mA SOT-23", Case/Package=SOT-23, Frequency=1MHz, Max Input Voltage=6V, Max Operating Temperature=85°C, Max Output Current=300mA, Max Output Voltage=1.8V, Min Input Voltage=2.5V, Min Operating Temperature=-40°C, Output Power=357mW, Package Quantity=1, Quiescent Current=15uA, Efficiency=95%, Height=1.15mm, Lead Free="Lead Free", Length=2.9mm, Max Supply Voltage=6V, Min Output Voltage=1.8V, Min Supply Voltage=2.5V, Mount="Surface Mount", Nominal Output Voltage=1.8V, Number of Outputs=1, Number of Pins=5, Output Current=300mA, Output Voltage=1.8V, Packaging="Tape and Reel", Radiation Hardening=No, REACH SVHC="No SVHC", Switching Frequency=1MHz, Synchronous Rectifier=Yes, Termination=SMD/SMT, Width=1.6mm
U10: library part CMP-0063-00779-2, "Dual Source USB/AC Li Chemistry Charger IC for Portable Applications, 10-pin LLP", Manufacturer="National Semiconductor", PackageTopMarking=ZXYTT*L111B, PowerWise=N, ComponentLink1Description="LM3658 Datasheet", ComponentLink1URL=http://www.national.com/ds/LM/LM3658.pdf, ComponentLink2Description="LM3658 Web Page", ComponentLink2URL=http://www.national.com/pf/LM/LM3658.html, ComponentLink3Description="SDA10A Package Page", ComponentLink3URL=http://www.national.com/packaging/folders/sda10a.html, CompType=MiscPower, DatasheetVersion=Nov-2006, PackageDescription="LLP, Plastic, Dual, 3 x 3 x 0.8mm Body, 10 Lead, 0.5mm Pitch, No Pullback", PackageReference=SDA10A, PackageVersion="revA, Oct-2003", PinCount=10, RevisionNote="Component URLs added", RoHS=N
U11: library part CMP-12160-000001-1, "ULTRA-LOW-POWER DUAL CORE ARM CO", Ambient Temperature Range High=+105°C, Ambient Temperature Range Low=-40°C, Manufacturer=STMicroelectronics, Max Frequency=2480MHz, Max Junction Temp=+125°C, Max Power Dissipation=425mW, Max Supply Voltage=3.6V, Min Supply Voltage=1.71V, Package=VFQFPN-68-B029, Receiving Current=4.5-7.9mA, Temperature="-40°C to +125°C", Automotive=No, Bandwidth=75MHz, Category=IC, ComponentLink2Description=Datasheet, ComponentLink2URL=https://www.st.com/resource/en/datasheet/stm32wb55rg.pdf, Data Rate=2Mbits/s, Device Class L1="Integrated Circuits (ICs)", Device Class L2="RF Semiconductors and Devices", Device Class L3=Transceivers, Digikey Description="ULTRA-LOW-POWER DUAL CORE ARM CO", Height=1mm, Interface=I2C,SPI,UART,USART,USB, Ipc Land Pattern Name=QFN40P800X800X90-68, Lead Free=Yes, Manufacturer Part Number=STM32WB55RGV6, Mouser Description="MCU 32-Bit STM32WB55 ARM Cortex M4 RISC 1MB Flash 1.7V to 3.6V 68-Pin VFQFPN Tray", Number Of Adc Channels=19, Number Of Gpio=49, Octopart=https://octopart.com/stm32wb55rgv6-stmicroelectronics-98750848, RoHS=TRUE, Sensitivity=-96dBm, Standoff Height=0mm, Temperature Range High=+125°C, Temperature Range Low=-40°C
U12: library part CMP-00950-1, "Antennas 2.45GHz BW 90dB + Gain -1 dBi avg.", Case/Package=SMD/SMT, Frequency=2.45GHz, Max Power Dissipation=3W, Package Quantity=3000, Bandwidth=90MHz, Height=0.047inch, Impedance=50R, Max Frequency=2.45GHz, Mount="Surface Mount", Number of Bands=1, Packaging="Tape and Reel", Power Rating=3W, Termination=Solder
U13: library part CMP-01265-1, "Prices include import duty and tax. RF FILTER, 2.4GHZ TO 2.5GHZ, WLCSP-6;", Frequency="2.45GHz Center", Package / Case="6-SMD, No Lead", Bandwidth=100MHz, Filter Type="Low Pass", Insertion Loss=1.1dB, Mounting Type="Surface Mount", Ripple=-
U14: library part CMP-04899-000011-1, "IC TRNSLTR BIDIRECTIONAL 14VQFN", Ambient Temperature Range High=+85°C, Ambient Temperature Range Low=-40°C, Manufacturer="Texas Instruments", Max Junction Temp=+150°C, Max Supply Voltage=5.5V, Min Supply Voltage=1.2V, Nominal Supply Current=0.06-3.5uA, Package=RGY0014A, Temperature="-40°C to +85°C", Automotive=No, Category=IC, ComponentLink2Description=Datasheet, ComponentLink2URL=http://www.ti.com/lit/ds/symlink/txb0104.pdf, Data Rate=100Mbits/s, Device Class L1="Integrated Circuits (ICs)", Device Class L2="Logic ICs", Device Class L3="Voltage Level Shifters", Digikey Description="IC TRNSLTR BIDIRECTIONAL 14VQFN", Height=1mm, Lead Free=Yes, Logic Function Desc=Non-Inverting, Manufacturer Part Number=TXB0104RGYR, Mouser Description="4-Bit Bidirectional Voltage-Level Shifter with Auto Direction Sensing and +/-15 kV ESD Protect 14-VQFN -40 to 85", Number Of Circuits=1, Number Of Inputs=4, Number of Outputs=4, Octopart=https://octopart.com/txb0104rgyr-texas+instruments-1485948, Propagation Delay=4ns, RoHS=TRUE, Standoff Height=0mm, Temperature Range High=+85°C, Temperature Range Low=-40°C, V A Max=3.6V, V A Min=1.2V, V B Max=5.5V, V B Min=1.65V
U15: library part CMP-01264-1, "NB-IoT Module 54Kbps UART 700MHz to 2100MHz 3.6V Surface Mount", Frequency Range="700, 2100 MHz", Manufacturer="Quectel Wireless Solutions", Operating Supply Voltage="3.6 V", Operating Temperature="-40 to 85 °C", Data Rate="54 Kbps", Interface Type=UART, Manufacturer Part Number=BC95GJB-02-STD, Mounting="Surface Mount", Product Dimensions="23.6 x 19.9 x 2.2 mm", Screening Level=Industrial, Sensitivity="-129 dBm", Type="NB-IoT Module"
U16: library part CMP-01638-1, "700MHz, 800MHz, 850MHz, 900MHz, 1.7GHz, 1.8GHz, 1.9GHz, 2GHz, 2.1GHz, 2.3GHz, 2.5GHz, 2.6GHz, 3.5GHz, 3.7GHz DCS, GSM, LTE, PCS, UMTS Chip RF Antenna 698MHz ~ 960MHz, 1.71GHz ~ 2.69GHz, 3.4GHz ~ 3.8GHz 1.6dBi, 3.7dBi, 3.1dBi Solder Surface Mount", Frequency (Center/Band)="700MHz, 800MHz, 850MHz, 900MHz, 1.7GHz, 1.8GHz, 1.9GHz, 2GHz, 2.1GHz, 2.3GHz, 2.5GHz, 2.6GHz, 3.5GHz, 3.7GHz", Frequency Group="Wide Band", Frequency Range="698MHz ~ 960MHz, 1.71GHz ~ 2.69GHz, 3.4GHz ~ 3.8GHz", Manufacturer="Fractus Antennas S.L.", Antenna Type=Chip, Applications="DCS, GSM, LTE, PCS, UMTS", Features=-, Gain="1.6dBi, 3.7dBi, 3.1dBi", Height (Max)="0.094\" (2.40mm)", Ingress Protection=-, Manufacturer Part Number=FR01-S4-224, Mounting Type="Surface Mount", Number of Bands=14, Packaging="Cut Tape (CT)", Part Status=Active, Return Loss=-, RF Family/Standard=Cellular, Series="RUN mXTEND™", Termination=Solder, VSWR=3
U17: library part CMP-1063-00253-1, "Quad Transient Voltage Suppressor Array, ESD Protection Diodes with Ultra-Low (0.7 pF) Capacitance, 6-Pin UDFN, Pb-Free, Tape and Reel", Manufacturer="On Semiconductor", C Max (pF)=0.9, ComponentLink1Description="Manufacturer URL", ComponentLink1URL=http://www.onsemi.com/, ComponentLink2Description=Datasheet, ComponentLink2URL=http://www.onsemi.cn/pub_link/Collateral/NUP3112UPMU-D.PDF, ComponentLink3Description="Package Specification", ComponentLink3URL=http://www.onsemi.com/pub_link/Collateral/517AP.PDF, DatasheetVersion="Rev. 0", Direction=Unidirectional, IR Max (uA)=1, Mounting Technology="Surface Mount", Number of Lines=4, PackageDescription="6-Pin Small Outline No-Lead, Body 1.6 x 1.6 mm, Pitch 0.5 mm", PackageReference=UDFN-6-517AP-01, PackageVersion="Rev. O, 10/2007", Packing="Tape and Reel", PartNumber=NUP3112UPMUTAG, RoHS=Pb-Free
X1 X2 X3: library part CMP-00149-1, "CONN HEADER 1.27mm Pitch 1x2 POS TH DL PCB AU", Color=-, Manufacturer="Sullins Connector Solutions", Supplier Part Number=S9015E-01-ND, ComponentLink1Description=GRPB_%20_2VWVN-RC%2010954-C.pdf, ComponentLink1URL=http://media.digikey.com/pdf/Data%20Sheets/Sullins%20PDFs/GRPB_%20_2VWVN-RC%2010954-C.pdf, Connector Type="Header, Unshrouded", Contact Finish=Gold, Contact Finish Thickness=Flash, Contact Type="Male Pin", Fastening Type=-, Features=-, Manufacturer Part Number=GRPB012VWVN-RC, Mounting Type="Through Hole", Number of Positions=2, Number of Positions Loaded=All, Number of Rows=2, Packaging=Bulk, Pitch=-, Supplier=Digi-Key, Termination=Solder
Y1: library part CMP-00140-1, "CRYSTAL 32.7680KHZ 4PF SMD", ESR (Equivalent Series Resistance)="60 kOhm", Frequency=32.768kHz, Frequency Stability=-, Frequency Tolerance=±20ppm, Load Capacitance=4pF, Manufacturer="Abracon LLC", Operating Mode=Fundamental, Operating Temperature="-40°C ~ 85°C", Package / Case="0805 (2012 Metric)", Supplier Part Number=535-12373-1-ND, ComponentLink1Description=ABS06-107-32.768kHz-T.pdf, ComponentLink1URL=http://www.abracon.com/Resonators/ABS06-107-32.768kHz-T.pdf, Height="0.024\" (0.60mm)", Manufacturer Part Number=ABS06-107-32.768KHZ-T, Mounting Type="Surface Mount", Packaging="Cut Tape (CT)", Ratings=-, Size / Dimension="0.079\" L x 0.047\" W (2.00mm x 1.20mm)", Supplier=Digi-Key, Type="kHz Crystal (Tuning Fork)"
Y2: library part CMP-00975-1, "32MHz ±20ppm Crystal 8pF 200 Ohm -20°C ~ 70°C  Surface Mount 4-SMD, No Lead (DFN, LCC)", Case/Package=CSMD, ESR (Equivalent Series Resistance)=200R, Frequency=32MHz, Frequency Stability=20ppm, Load Capacitance=8pF, Max Operating Temperature=70°C, Min Operating Temperature=-20°C, Package Quantity=3000, Composition=Ceramic, Depth=1.2mm, Frequency Tolerance=20ppm, Height=0.018inch, Lead Free="Lead Free", Length=1.6mm, Mount="Surface Mount", Number of Pins=4, Packaging="Tape and Reel", PartId=1, Radiation Hardening=No, REACH SVHC="No SVHC", Termination=SMD/SMT, Tolerance=20ppm, Width=0.047inch

## Via types
v1: diameter 0.4, hole 0.2, Top Layer to Bottom Layer, tented both sides, 166 vias
v2: diameter 0.5, hole 0.2, Top Layer to Bottom Layer, tented both sides, 8 vias
v3: diameter 0.45, hole 0.2, Top Layer to Bottom Layer, tented both sides, 5 vias
v4: diameter 0.4, hole 0.2, Top Layer to Bottom Layer, 1 vias

## Nets (pads, with @x,y where several pads share a name; then routed paths per layer and width w, separated by ;. In a path a pad name is that pad's centre, name@x,y a point inside that pad or via, vN(x,y) a via of type N, cw(c..) or ccw(c..) an arc to the next point about the centre after c; other vN are vias at no path point)
1V8: C1.2 C2.2 C31.2 C35.2 L4.2 U2.11 U9.4 U14.1 U14.8 | length 63.2
  Top Layer w0.3: v1(11.701,30.626) 11.72,30.646 11.819,30.646 14.139,32.966 v1(14.139,33.975) ; v1(30.302,8.641) 30.638,8.641 31.495,9.498 31.495,9.674 31.671,9.85 U9.4@32.45,9.85 34.315,9.85 34.403,9.938 C31.2@34.792,9.938 ; C31.2@34.827,9.902 C31.2@34.792,9.938 ; L4.2@35.25,13.85 34.891,13.491 34.891,10.426 34.792,10.327 C31.2@34.792,9.938
  Int2 (Sign) w0.3: v1(14.139,33.975) 14.158,33.956 14.158,33.817 21.339,26.636 21.339,23.9 22.465,22.774 v1(22.465,21.616) 22.805,21.276 23.275,21.276 23.65,20.901 23.65,19.975 22.3,18.625 21.007,18.625 20.488,18.106 20.488,16.612 22.861,14.239 22.861,12.991 23.985,11.866 26.815,11.866 27.731,10.95 29.869,10.95 30.302,10.517 v1(30.302,8.641)
  Bottom Layer w0.1: U14.1@12.625,34.525 14.581,34.525 14.596,34.51 14.64,34.51 14.95,34.2 C35.2@14.95,34.18 14.346,34.18 14.141,33.975 v1(14.139,33.975) ; C1.2@19.654,20.66 C1.2@19.814,20.5 ; U2.11@21.339,18.9 19.894,18.9 C2.2@19.594,19.2 19.594,20.081 19.653,20.14 19.654,20.14 19.814,20.3 C1.2@19.814,20.4 C1.2@19.814,20.5 ; v1(22.465,21.616) 22.455,21.625 20.401,21.625 19.814,21.038 C1.2@19.814,20.5
  Bottom Layer w0.3: U14.8@11.125,30.515 11.236,30.626 v1(11.701,30.626)